# Altium PCB main.PcbDoc
Units mil, origin at the board's own origin, x right, y up, seen from the top; angles counter-clockwise.
Board outline 8820 x 6490 mil, 2 copper layers (Top Layer, Bottom Layer); 83 components, 111 nets, 405 pads, 34 vias.
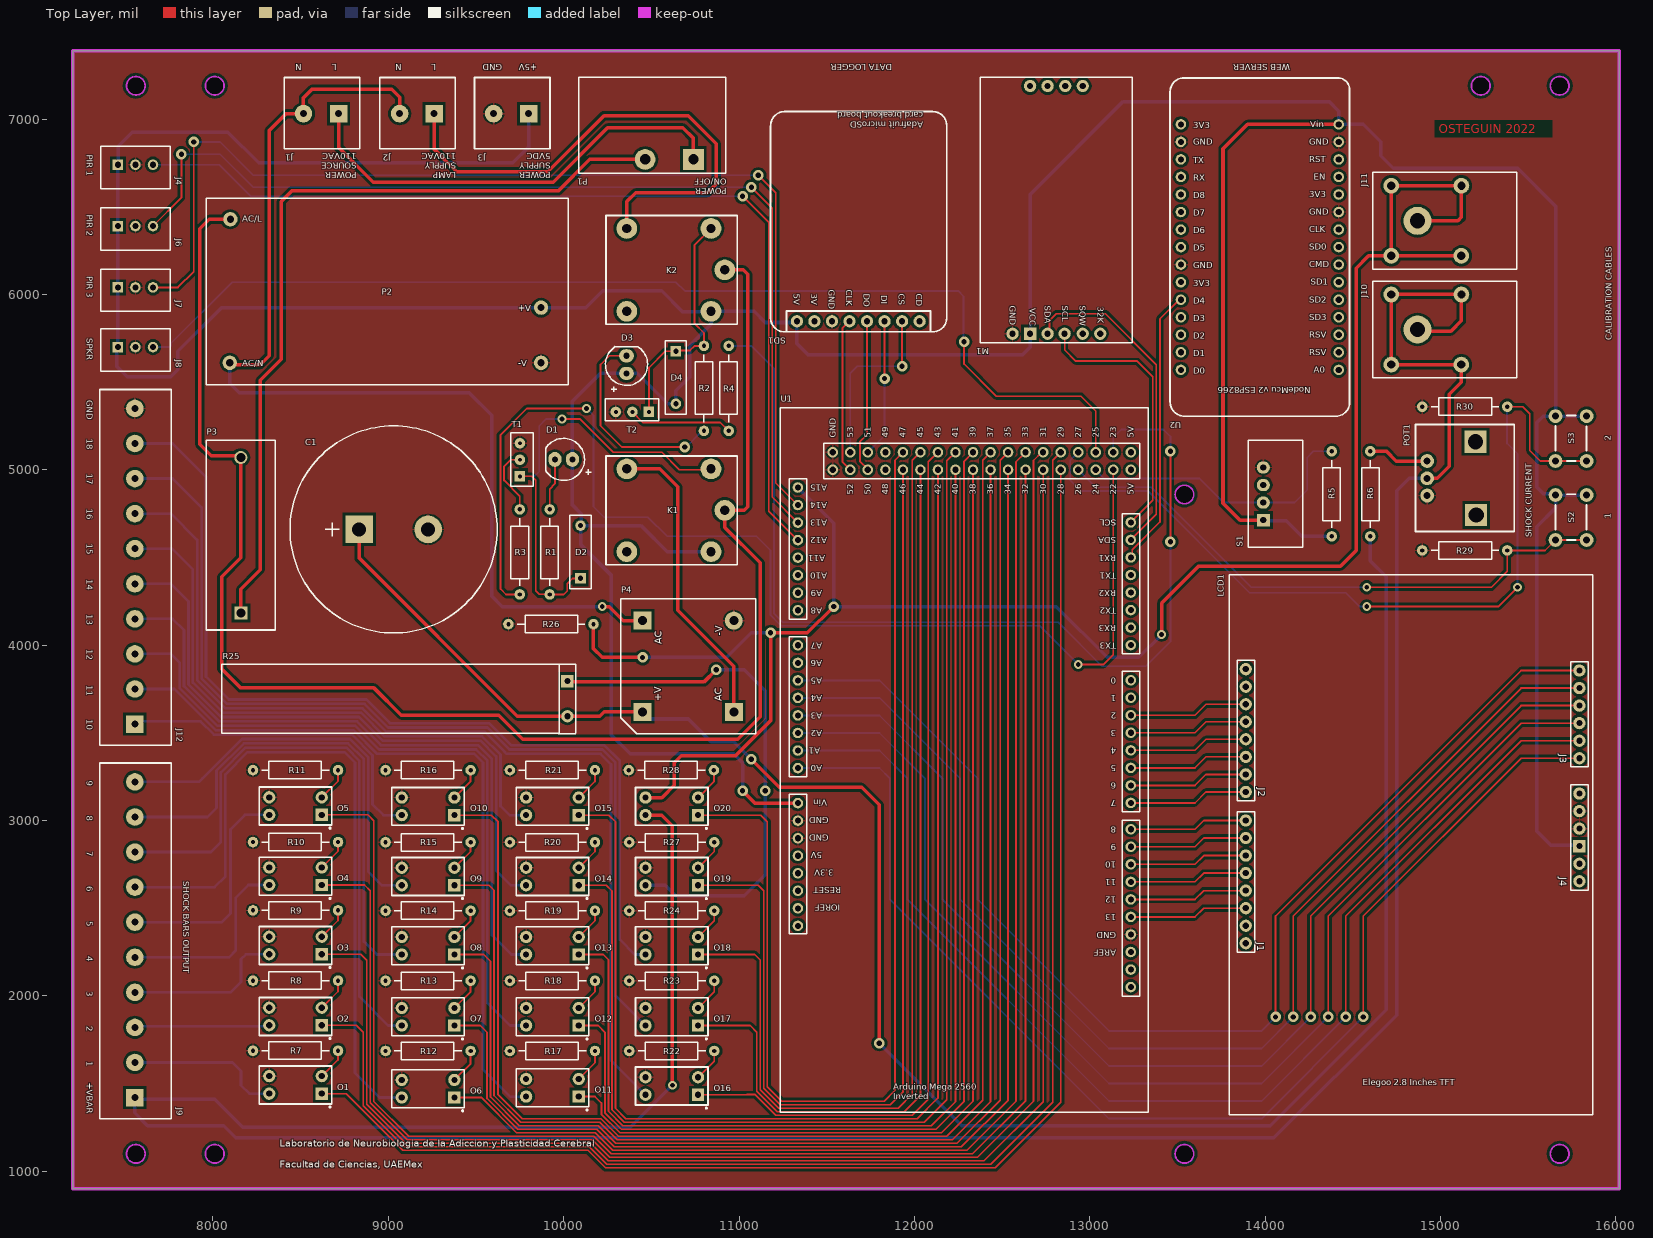
[diagram p0: Top Layer view]
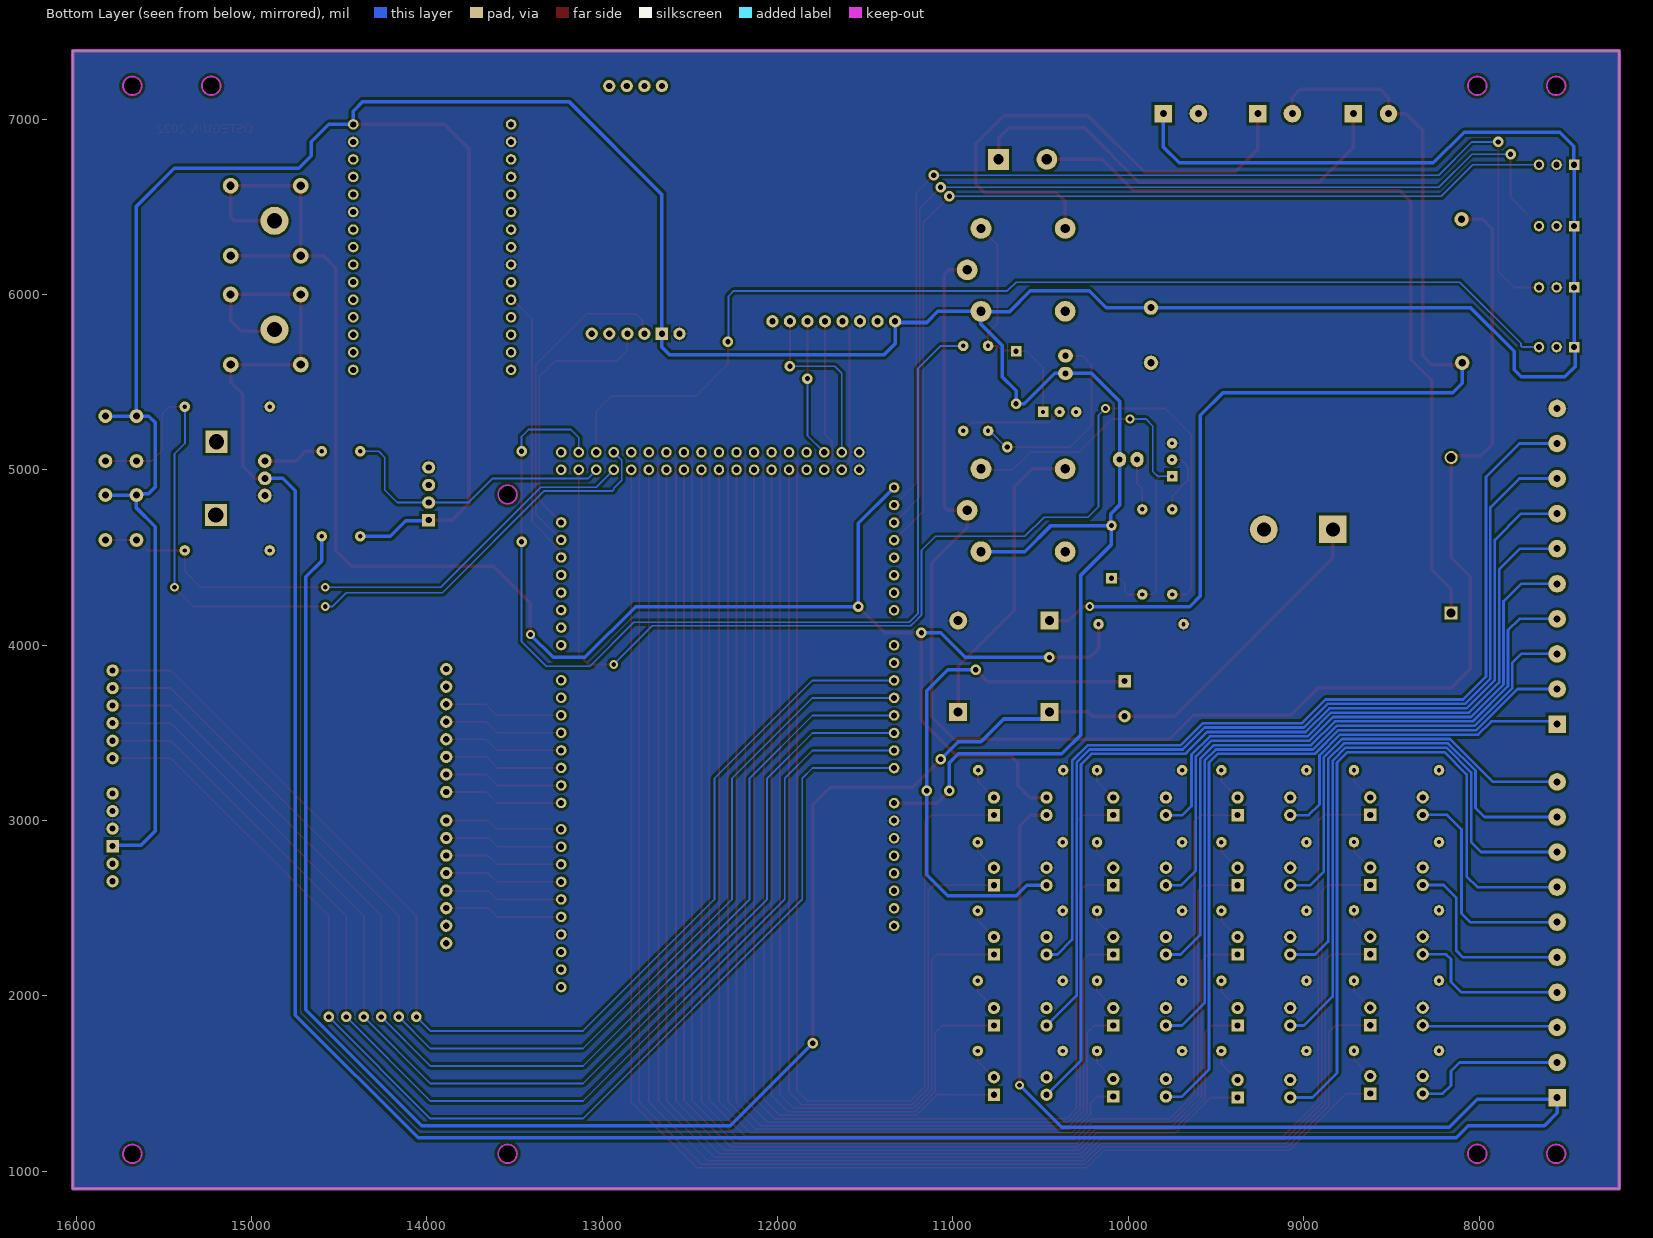
[diagram p1: Bottom Layer view, seen from below]

## Layer stack, top to bottom
Top Solder: solder mask 0.4, Solder Resist, Dk 3.5
Top Layer: signal copper 1.4
Dielectric 1: dielectric 12.6, FR-4, Dk 4.8
Bottom Layer: signal copper 1.4
Bottom Solder: solder mask 0.4, Solder Resist, Dk 3.5

## Board outline
7200,900 16020,900 16020,7390 7200,7390
cut-out: 13593.15,4859.21 cw(c13540,4859.21) 13540,4806.06 cw(c13540,4859.21) 13486.85,4859.21 cw(c13540,4859.21) 13540,4912.36 cw(c13540,4859.21)
cut-out: 15283.15,7190 cw(c15230,7190) 15230,7136.85 cw(c15230,7190) 15176.85,7190 cw(c15230,7190) 15230,7243.15 cw(c15230,7190)
cut-out: 15733.15,7190 cw(c15680,7190) 15680,7136.85 cw(c15680,7190) 15626.85,7190 cw(c15680,7190) 15680,7243.15 cw(c15680,7190)
cut-out: 15733.15,1099.21 cw(c15680,1099.21) 15680,1046.06 cw(c15680,1099.21) 15626.85,1099.21 cw(c15680,1099.21) 15680,1152.36 cw(c15680,1099.21)
cut-out: 13593.15,1099.21 cw(c13540,1099.21) 13540,1046.06 cw(c13540,1099.21) 13486.85,1099.21 cw(c13540,1099.21) 13540,1152.36 cw(c13540,1099.21)
cut-out: 8063.15,1099.21 cw(c8010,1099.21) 8010,1046.06 cw(c8010,1099.21) 7956.85,1099.21 cw(c8010,1099.21) 8010,1152.36 cw(c8010,1099.21)
cut-out: 8063.15,7190 cw(c8010,7190) 8010,7136.85 cw(c8010,7190) 7956.85,7190 cw(c8010,7190) 8010,7243.15 cw(c8010,7190)
cut-out: 7613.15,7190 cw(c7560,7190) 7560,7136.85 cw(c7560,7190) 7506.85,7190 cw(c7560,7190) 7560,7243.15 cw(c7560,7190)
cut-out: 7613.15,1099.21 cw(c7560,1099.21) 7560,1046.06 cw(c7560,1099.21) 7506.85,1099.21 cw(c7560,1099.21) 7560,1152.36 cw(c7560,1099.21)

## Design rules (kind name [scope] priority, off if disabled: settings)
Clearance [All] p1: gap=10 ignorepadtopadclearanceinfootprint=FALSE
Height [All] p1: minheight=0 maxheight=1377.95 prefheight=1377.95
PolygonConnect [All] p1: connectstyle=Relief reliefconductorwidth=10 reliefentries=4 polygonreliefangle="90 Angle" airgapwidth=10
RoutingVias [All] p1: holewidth=28 width=50 viastyle="Through Hole" minholewidth=28 minwidth=50 maxholewidth=28 maxwidth=50
SolderMaskExpansion [All] p1: expansion=4
Width [All] p1: maxlimit=20 minlimit=10 preferedwidth=20
29 further rules are at their usual default settings.

## Classes and differential pairs
component class U_power: C1 D1 D2 D3 D4 J1 J2 J3 K1 K2 P1 P2 P3 P4 POT1 R1 R2 R3 R4 R6 T1 T2
component class U_shock: J9 J10 J11 J12 O1 O2 O3 O4 O5 O6 O7 O8 O9 O10 O11 O12 O13 O14 O15 O16 O17 O18 O19 O20 R7 R8 R9 R10 R11 R12 R13 R14 R15 R16 R17 R18 R19 R20 R21 R22 R23 R24 R25 R26 R27 R28
component class U_micros: H2 J4 J6 J7 J8 LCD1 M1 R5 R29 R30 S1 S2 S3 SD1 U1 U2

## Components (designator, comment, footprint, x,y, rotation, side; value= is the part's Value field where it differs from the comment)
C1 "470uF 350V" ESMQ351VSN471MR35S 9030,4660 r0 top
D1 "LED_OTHER" LED_AXIAL 10050,5059.06 r180 top
D2 "Diode" "Diodo 1N4007 Rectificador" 10095.94,4382.07 r90 top
D3 "LED_OTHER" LED_AXIAL 10358.25,5550 r90 top
D4 "Diode" "Diodo 1N4007 Rectificador" 10640,5676.57 r270 top
J1 "Terminal_Block_2" Terminal_Block_2#1 8713.09,7032.77 r180 top
J2 "Terminal_Block_2" Terminal_Block_2#2 9261.59,7032.77 r180 top
J3 "Terminal_Block_2" Terminal_Block_2#1 9797.59,7032.77 r180 top
J4 "JST_3P" JST_3P_VERT 7657.86,6740 r180 top
J6 "JST_3P" JST_3P_VERT 7657.86,6390 r180 top
J7 "JST_3P" JST_3P_VERT 7657.86,6040 r180 top
J8 "JST_3P" JST_3P_VERT 7657.86,5700 r180 top
J9 "Terminal_Block_10" Terminal_Block_10 7555.36,1421 r90 top
J10 "SLB4-I/90" SLB4-I/90 14869.24,5800 r90 top
J11 "SLB4-I/90" SLB4-I/90 14869.24,6420 r90 top
J12 "Terminal_Block_10" Terminal_Block_10 7555.36,3551 r90 top
K1 "833H-1C-S-5VDC" Relay_833H 10639.39,4769.06 r180 top
K2 "833H-1C-S-5VDC" Relay_833H 10639.39,6140 r180 top
LCD1 "ELEGOO_LCD" Elegoo_LCD 14930.12,2898.31 r270 top value="5V - LCD"
M1 "DS3231" DS3231_HORIZONTAL 13241.89,5724.92 r180 top
O1 "TLP240GA" TLP240GA 8470.59,1492.13 r180 top
O2 "TLP240GA" TLP240GA 8470.59,1882.13 r180 top
O3 "TLP240GA" TLP240GA 8470.59,2287.13 r180 top
O4 "TLP240GA" TLP240GA 8470.59,2682.13 r180 top
O5 "TLP240GA" TLP240GA 8470.59,3082.13 r180 top
O6 "TLP240GA" TLP240GA 9226.54,1470.59 r180 top
O7 "TLP240GA" TLP240GA 9226.54,1880.59 r180 top
O8 "TLP240GA" TLP240GA 9226.54,2285.59 r180 top
O9 "TLP240GA" TLP240GA 9226.54,2680.59 r180 top
O10 "TLP240GA" TLP240GA 9226.54,3080.59 r180 top
O11 "TLP240GA" TLP240GA 9935.96,1475.59 r180 top
O12 "TLP240GA" TLP240GA 9935.96,1880.59 r180 top
O13 "TLP240GA" TLP240GA 9935.96,2285.59 r180 top
O14 "TLP240GA" TLP240GA 9935.96,2680.59 r180 top
O15 "TLP240GA" TLP240GA 9935.96,3080.59 r180 top
O16 "TLP240GA" TLP240GA 10616.57,1485.59 r180 top
O17 "TLP240GA" TLP240GA 10616.57,1880.59 r180 top
O18 "TLP240GA" TLP240GA 10616.57,2285.59 r180 top
O19 "TLP240GA" TLP240GA 10616.57,2680.59 r180 top
O20 "TLP240GA" TLP240GA 10616.57,3080.59 r180 top
P1 "Rocker Switch" "Rocker Switch" 10740,6770 r180 top
P2 "15W AC-DC PCB-Mount" "15W AC-DC PCB-Mount" 8095.85,6430 r0 top
P3 "Fuse" "Fuse Holder" 8158.7,4184.17 r90 top
P4 "Bridge Rectifier" KBPC1010 10970,4139.69 r90 top
POT1 "Rot. Potentiometer" PTV09A-4020F-B504 15200,5160 r270 top
R1 "100" RESISTOR 9920,4529.06 r90 top
R2 "100" RESISTOR 10800,5466.57 r270 top
R3 "1K" RESISTOR 9749.35,4529.06 r90 top
R4 "1K" RESISTOR 10940.85,5466.57 r270 top
R5 "1K" RESISTOR 14380,4860.39 r90 top
R6 "100K" RESISTOR 14600,4860.39 r90 top
R7 "680" RESISTOR 8468.09,1687.13 r0 top
R8 "680" RESISTOR 8468.09,2087.13 r0 top
R9 "680" RESISTOR 8468.09,2487.13 r0 top
R10 "680" RESISTOR 8468.09,2877.13 r0 top
R11 "680" RESISTOR 8468.09,3287.4 r0 top
R12 "680" RESISTOR 9224.04,1685.59 r0 top
R13 "680" RESISTOR 9224.04,2085.59 r0 top
R14 "680" RESISTOR 9224.04,2485.59 r0 top
R15 "680" RESISTOR 9224.04,2875.59 r0 top
R16 "680" RESISTOR 9224.04,3287.4 r0 top
R17 "680" RESISTOR 9933.46,1685.59 r0 top
R18 "680" RESISTOR 9933.46,2085.59 r0 top
R19 "680" RESISTOR 9933.46,2485.59 r0 top
R20 "680" RESISTOR 9933.46,2875.59 r0 top
R21 "680" RESISTOR 9933.46,3287.4 r0 top
R22 "680" RESISTOR 10614.07,1685.59 r0 top
R23 "680" RESISTOR 10614.07,2085.59 r0 top
R24 "680" RESISTOR 10614.07,2485.59 r0 top
R25 "Ceramic Resistor" AXIAL_CERAMIC_RESISTOR 9980,3890 r270 top
R26 "1K" RESISTOR 9930,4120 r180 top
R27 "680" RESISTOR 10614.07,2875.59 r0 top
R28 "680" RESISTOR 10611.57,3287.4 r0 top
R29 "1K" RESISTOR 15141.48,4540 r180 top
R30 "1K" RESISTOR 15141.48,5360 r180 top
S1 "DHT22" DHT22 13990,4862.89 r90 top
S2 "Push_Button_4Pin" PUSH_BUTTON 15833.6,4855.91 r270 top
S3 "Push_Button_4Pin" PUSH_BUTTON 15833.6,5305.91 r270 top
SD1 "MicroSD Module" Micro-SD 11682,5788.09 r270 top
T1 "BC547CBU" BC547CBU 9750.59,4946.85 r90 top
T2 "BC547CBU" BC547CBU 10502.09,5330 r180 top
U1 "MEGA2560" MEGA2560_Inv 12285,3575 r90 top
U2 "ESP8266 NodeMCU" ESP8266_NodeMCU 13970,6270 r0 top

## Footprints (in the part's own frame and the unit in brackets; to place one, negate y for a bottom-side part, rotate by r counter-clockwise, add the part's x,y. Pads: shape width x height; smd on the part's side, far side on the other; paste and mask are expansions set on the pad)
"15W AC-DC PCB-Mount" [mil]
  round 82 hole 41: 1(3.35,-1.1) 2(0,-820) 3(1775,-820) 4(1775,-505.04)
  silkscreen extent -135,-946 1929,120, body extent -134,-946 1929,125, height 945
AXIAL_CERAMIC_RESISTOR [mil] "Axial Ceramic Resistor"
  rect 70x70 hole 35: 1(95.5,40.87)
  round 70 hole 35: 2(295.5,40.87)
  silkscreen extent 0,-1929 394,89, body extent 17,-2028 383,168, height 356
BC547CBU [mil]
  rect 60x60 hole 22.05: 1(15.75,0)
  round 60 hole 22.05: 2(110.24,0) 3(204.72,0)
  silkscreen extent -39,-75 264,51, body extent 1,-78 219,40, height 298
DHT22 [mil] "Sensor humedad y temperatura"
  rect 70x75 hole 35.43: 1(-150,0)
  oval 70x75 hole 35.43: 2(-50,0) 3(50,0) 4(150,0)
  silkscreen extent -305,-226 305,85, body extent -297,-232 297,83, height 988
"Diodo 1N4007 Rectificador" [mil]
  rect 60x60 hole 30: 1(0,0)
  round 60 hole 30: 2(300,0)
  silkscreen extent -60,-60 359,60, body extent -10,-49 310,51, height 100
DS3231_HORIZONTAL [mil]
  round 70 hole 35: 1(681.89,-51.18) 3(481.89,-51.18) 4(385,-51.18) 5(281.89,-51.18) 6(181.89,-51.18) NA(281.89,-1463.86) NA(381.89,-1463.86) NA(481.89,-1463.86) NA(581.89,-1463.86)
  rect 70x70 hole 35: 2(581.89,-51.18)
  silkscreen extent 0,-1514 866,0, body extent -30,-1516 828,5, height 659
Elegoo_LCD [mil]
  round 70 hole 35: 1(598.31,-1040.12) 2(498.31,-1040.12) 3(398.31,-1040.12) 4(298.31,-1040.12) 5(198.31,-1040.12) 6(98.31,-1040.12) 7(-1.69,-1040.12) 8(-101.69,-1040.12) 9(-264.69,-1040.12) 10(-364.69,-1040.12) 11(-464.69,-1040.12) 12(-564.69,-1040.12) 13(-664.69,-1040.12) 14(-764.69,-1040.12) 15(-864.69,-1040.12) 16(-964.69,-1040.12) 17(-956.81,862.24) 18(-856.81,862.24) 19(-756.81,862.24) 20(-656.81,862.24) 21(-556.81,862.24) 22(-456.81,862.24) 23(-255.24,862.24) 24(-155.24,862.24) 25(-55.24,862.24) 27(144.76,862.24) 28(244.76,862.24)
  rect 70x70 hole 35: 26(44.76,862.24)
  silkscreen extent -1503,-1135 1577,940, body extent -1482,-1136 1600,947, height 748
ESMQ351VSN471MR35S [mm] "CAP ALUM 470UF 20% 350V SNAP"
  rect 4x4 hole 2: 1(-5,0)
  round 4 hole 2: 2(5,0)
  silkscreen extent -15,-15 15,15, body extent -21.13,-21.13 21.13,21.13, height 35
ESP8266_NodeMCU [mil]
  round 60 hole 35: 1(-450,700) 2(-450,600) 3(-450,500) 4(-450,400) 5(-450,300) 6(-450,200) 7(-450,100) 8(-450,0) 9(-450,-100) 10(-450,-200) 11(-450,-300) 12(-450,-400) 13(-450,-500) 14(-450,-600) 15(-450,-700) 16(450,-700) 17(450,-600) 18(450,-500) 19(450,-400) 20(450,-300) 21(450,-200) 22(450,-100) 23(450,0) 24(450,100) 25(450,200) 26(450,300) 27(450,400) 28(450,500) 29(450,600) 30(450,700)
  silkscreen extent -512,-965 512,965, body extent -510,-952 499,970, height 506
"Fuse Holder" [mm]
  rect 1.9x1.9 hole 1.3: 1(0,0)
  round 1.9 hole 1.3: 2(22.5,0)
  silkscreen extent -2.5,-5 25,5, body extent -0.55,-4.8 22.55,4.8, height 11.5
JST_3P_VERT [mil] "JST-XH Through Hole Right Angle Connectors"
  rect 60x60 hole 35.43: 1(200,0)
  round 60 hole 35.43: 2(100,0) 3(0,0)
  silkscreen extent -98,-104 298,137, body extent -92,-98 292,132, height 284
KBPC1010 [mm] "Single-Phase Silicon Bridge Rectifier Rectifier"
  rect 2.6x2.6 hole 1.3: 1(-13.2,13.2) 3(-13.2,0) 4(0,13.2)
  round 2.6 hole 1.3: 2(0,0)
  silkscreen extent -16.4,-3.2 3.2,16.4, body extent -16.4,-3.32 3.2,16.28, height 9.5
LED_AXIAL [mil]
  oval 75x85 hole 35: 1(0,0) 2(100,0)
  silkscreen extent -106,-120 153,120, body extent -65,-121 150,111, height 425
MEGA2560_Inv [mil] "Arduino Mega 2560 Inverted"
  round 60 hole 35: 0(225,-949.39) 1(125,-949.39) 2(25,-949.39) 3(-75,-949.39) 3.3V(-875.94,949.39) 4(-175,-949.39) 5(-275,-949.39) 5V(-775.94,949.39) 5V_1(1425,-949.39) 5V_2(1525,-949.39) 6(-375,-949.39) 7(-475,-949.39) 8(-625,-949.39) 9(-725,-949.39) 10(-825,-949.39) 11(-925,-949.39) 12(-1025,-949.39) 13(-1125,-949.39) 22(1425,-849.39) 23(1525,-849.39) 24(1425,-749.39) 25(1525,-749.39) 26(1425,-649.39) 27(1525,-649.39) 28(1425,-549.39) 29(1525,-549.39) 30(1425,-449.39) 31(1525,-449.39) 32(1425,-349.39) 33(1525,-349.39) 34(1425,-249.39) 35(1525,-249.39) 36(1425,-149.39) 37(1525,-149.39) 38(1425,-49.39) 39(1525,-49.39) 40(1425,50.61) 41(1525,50.61) 42(1425,150.61) 43(1525,150.61) 44(1425,250.61) 45(1525,250.61) 46(1425,350.61) 47(1525,350.61) 48(1425,450.61) 49(1525,450.61) 50(1425,550.61) 51(1525,550.61) 52(1425,650.61) 53(1525,650.61) A0(-275.94,949.39) A1(-175.94,949.39) A2(-75.94,949.39) A3(24.06,949.39) A4(124.06,949.39) A5(224.06,949.39) A6(324.06,949.39) A7(424.06,949.39) A8(624.06,949.39) A9(724.06,949.39) A10(824.06,949.39) A11(924.06,949.39) A12(1024.06,949.39) A13(1124.06,949.39) A14(1224.06,949.39) A15(1324.06,949.39) AREF(-1325,-949.39) GND(-575.94,949.39) GND_1(-675.94,949.39) GND_2(-1225,-949.39) GND_3(1425,750.61) GND_4(1525,750.61) IOREF(-1075.94,949.39) LCD(-1425,-949.39) LCD_1(-1525,-949.39) NA(-1175.94,949.39) RESET(-975.94,949.39) RX1(925,-949.39) RX2(725,-949.39) RX3(525,-949.39) SCL(1125,-949.39) SDA(1025,-949.39) TX1(825,-949.39) TX2(625,-949.39) TX3(425,-949.39) Vin(-475.94,949.39)
  silkscreen extent -2240,-1049 1780,1051, body extent -2560,-1054 1705,1048, height 559
Micro-SD [mil] "Adafruit Micro SD Card Breakout Board"
  round 70 hole 35: 1(-59,348) 2(-59,248) 3(-59,148) 4(-59,48) 5(-59,-52) 6(-59,-152) 7(-59,-252) 8(-59,-352)
  silkscreen extent -1255,-502 1,502, body extent -1455,-498 -6,502, height 420
PTV09A-4020F-B504 [mm] "Potenciómetros PANEL CONTROL - 9MM-ST-CARBON"
  round 2 hole 1: 1(2.8,-7) 2(5.3,-7) 3(7.8,-7)
  rect 3.2x3.2 hole 2.2: NA(0,0) NA(10.6,0.1)
  silkscreen extent -2.5,-8.7 13,5.6, body extent -0.36,-7.1 10.96,5.5, height 26
PUSH_BUTTON [mm]
  round 2 hole 1: 1(0,0) 2(0,-4.5) 3(6.5,0) 4(6.5,-4.5)
  body extent -0.54,-5.29 7.15,0.72, height 4.95
Relay_833H [mm] "Rele_833H"
  round 3 hole 1.35: 1(-5.1,6) 2(7.1,6) 3(7.1,-6) 4(-5.1,-6) 5(-7.1,0)
  silkscreen extent -8.9,-7.87 10.1,7.87, body extent -8.91,-7.8 10.29,7.8, height 15.8
RESISTOR [mil] "Axial Device, Thru-Hole; 2 Leads; 0.5 in Pin Spacing"
  round 60 hole 25: 1(-240,0) 2(245,0)
  silkscreen extent -190,-50 195,50, body extent -258,-48 258,50, height 109
"Rocker Switch" [mm] "SPST (right-angle)"
  rect 3x3 hole 1.5: 1(0,0)
  round 3 hole 1.5: 2(7,0)
  silkscreen extent -4.65,-11.94 16.65,2, body extent -4.6,-21.5 16.7,0.62, height 14.4
SLB4-I/90 [mil]
  round 90 hole 47.24: 1(-200,150) 2(-200,-250) 3(200,-250.39) 4(200,149.61)
  round 160 hole 86.61: 5(0,0)
  silkscreen extent -276,-565 276,255, body extent -232,-1081 240,218, height 483
Terminal_Block_2#1 [mil]
  rect 100x100 hole 40: 1(-3,2)
  round 100 hole 40: 2(197,2)
  silkscreen extent -124,-205 306,202, body extent -118,-203 298,191, height 551
Terminal_Block_2#2 [mil]
  rect 100x100 hole 40: 1(1,2)
  round 100 hole 40: 2(197,2)
  silkscreen extent -120,-205 310,202, body extent -114,-203 302,191, height 551
Terminal_Block_10 [mil]
  rect 100x100 hole 40: 1(-1,1)
  round 100 hole 40: 2(199,1) 3(399,1) 4(599,1) 5(799,1) 6(999,1) 7(1199,1) 8(1399,1) 9(1599,1) 10(1799,1)
  silkscreen extent -122,-206 1907,201, body extent -117,-195 1899,199, height 551
TLP240GA [mil]
  rect 70x70 hole 35: 1(-150,50)
  round 70 hole 35: 2(-150,-50) 3(150,-50) 4(150,50)
  silkscreen extent -207,-108 207,130, body extent -155,-85 145,92, height 157

## Part data
C1: library part Capacitor_AXIAL_Pol, "Capacitor_AXIAL_Pol"
D1 D3: "Typical RED GaAs LED", LatestRevisionDate=08-Jul-2005, LatestRevisionNote="Mech Layer 1 removed.", PackageDescription="LED; 2 Leads", PackageReference=LED-1, Published=8-Jun-2000, Publisher="Altium Limited"
D2 D4: "Default Diode", Code_JEDEC=DO-214-AB, LatestRevisionDate=17-Jul-2002, LatestRevisionNote="Re-released for DXP Platform.", PackageDescription="DO-214-AB/SMC; 2 C-Bend Leads; Body 7.9 x 5.9 mm, inc. leads (LxW)", PackageReference=SMC, PackageVersion=Sep-1996, Published=8-Jun-2000, Publisher="Altium Limited"
K1 K2: library part "Relay_Song 5V", "Relay Song Chuan 5V", Manufacturer="Song Chuan", HelpURL=C:\Varios\PERCRO_DATASHEET\Relay_833H.pdf, Manufacturer Code=833H-1C-S-5VDC
LCD1: library part ELEGOO_LCD_2.8, "LCD 2.8 in - 5 V", Manufacturer=ELEGOO, Manufacturer Code=Elego_LCD_2.8in, HelpURL="C:\Varios\PERCRO_DATASHEET\Elegoo 2.8 inch.pdf"
M1: "RTC MODULE"
O1 O2 O3 O4 O5 O6 O7 O8 O9 O10 O11 O12 O13 O14 O15 O16 O17 O18 O19 O20: "Photorelay"
P4: library part KBPC1010, "Single-Phase Silicon Bridge Rectifier Rectifier"
POT1: library part ROT_POT, "Rotatory Potentiometer"
R1 R2 R3 R4 R5 R6 R7 R8 R9 R10 R11 R12 R13 R14 R15 R16 R17 R18 R19 R20 R21 R22 R23 R24 R26 R27 R28 R29 R30: library part Resistor_Axial, "Resistor_Axial", LatestRevisionDate=17-Jul-2002, LatestRevisionNote="Re-released for DXP Platform.", PackageDescription="Axial Device, Thru-Hole; 2 Leads; 0.3 in Pin Spacing", PackageReference=AXIAL-0.3, Published=8-Jun-2000, Publisher="Altium Limited"
R25: library part AXIAL_CERAMIC_RESISTOR
S1: "Sensor de humedad y temperatura", Manufacturer="Aosong Electronics", Height="25.3 mm", HelpURL=C:\Varios\PERCRO_DATASHEET\DHT22.pdf, Manufacturer Code=DHT22
SD1: library part Micro-SD, "Adafruit Micro SD Card Breakout Board"
U1: "Arduino Mega2560"
U2: library part ESP8266, "NODEMCU V2 ESP8266"

## Via types
v1: diameter 60, hole 30, Top Layer to Bottom Layer, 25 vias
v2: diameter 50, hole 28, Top Layer to Bottom Layer, 9 vias

## Nets (pads, with @x,y where several pads share a name; then routed paths per layer and width w, separated by ;. In a path a pad name is that pad's centre, name@x,y a point inside that pad or via, vN(x,y) a via of type N, cw(c..) or ccw(c..) an arc to the next point about the centre after c; other vN are vias at no path point)
+5VDC: D1.1 D2.2 D3.1 D4.2 J3.1 J4.1 J6.1 J7.1 J8.1 K1.1 K2.1 LCD1.26 M1.2 P2.4 R5.1 S1.1 S2.1 S2.2 S3.1 S3.2 SD1.8 U1.Vin U2.30 | length 27413.3
  Top Layer w20: v1(11020,3170) 11090.94,3099.06 U1.Vin ; S1.1 13857.11,4712.89 13760,4810 13760,6830 13900,6970 U2.30
  Bottom Layer w20: J3.1 9800.59,6840.59 9710,6750 8260,6750 8085,6925 7539.14,6925 7460,6845.86 7460,6742.14 J4.1 J6.1 J7.1 J8.1 7450,5692.14 7450,5590 7510,5530 7760,5530 7800,5570 7800,5676.57 8048.39,5924.96 P2.4 10126.68,5924.96 10221.72,6020 10560,6020 10680,5900 10836.4,5900 K2.1 ; K1.1 10590,4532.83 10440.76,4682.07 D2.2 ; v1(11020,3170) 11020,3329.29 10969.29,3380 10380,3380 10270,3490 10270,4400 10095.94,4574.06 D2.2 ; U1.Vin@11334.67,3100 U1.Vin ; S1.1 13992.89,4710 14120,4710 14210,4620 14379.61,4620 R5.1 ; LCD1.26 15785.91,2860 15630,2860 15550,2940 15550,4675.82 15656.44,4782.26 S2.2 ; S2.1 S2.2 ; S3.1 S3.2 ; D2.2 10099.06,4685.19 10099.06,4750 10050,4799.06 D1.1 10050,5390 10210,5550 D3.1 10420,5550 10593.43,5376.57 D4.2 10640,5450 10720,5530 10720,5710 10840.18,5830.18 K2.1 ; K2.1 11086.22,5903.78 11150,5840 11322.91,5840 SD1.8 11330,5840 11330,5720 11395,5655 12615,5655 12660,5700 M1.2 12660,6570 13190,7100 14365.23,7100 14420,7045.23 U2.30 14560,6970 14660,6870 14660,6790 14730,6720 15440,6720 15656.44,6503.56 S3.2 ; S2.2 15647.7,4864.65 15587.07,4864.65 15550,4901.72 15550,5270 15585.91,5305.91 S3.2
+170VDC: C1.1 P4.1 R6.1 R25.2 | length 11189.6
  Top Layer w20: C1.1 8833.15,4496.85 9735.5,3594.5 R25.2 10204.79,3594.5 10230.29,3620 P4.1 ; v1(11070,3350) 11230,3190 11700,3190 11800,3090 v1(11800,1730)
  Bottom Layer w20: P4.1 10491.5,3578.82 10711.34,3578.82 10840.16,3450 10970,3450 v1(11070,3350) ; v1(11800,1730) 12270,1260 14030,1260 14690,1920 14690,4390 14600,4480 R6.1
+VREG: J9.1 J10.1 J10.2 J10.3 J10.4 J10.5 O20.4 POT1.2 | length 18112.6
  Top Layer w20: O20.4 10559.41,3030.59 10620,2970 v2(10620,1490) ; J10.5 14879.24,5790 15060,5790 15119.63,5849.63 J10.3 J10.4 14719.43,5999.8 14719.43,5600.2 J10.1 J10.2 15119.24,5499.24 15050,5430 15050,5020 15018.7,4988.7 14981.34,4951.34 POT1.2
  Bottom Layer w20: v2(10620,1490) 10380,1250 8170,1250 8010,1410 7564.36,1410 J9.1 7554.36,1332.47 7626.83,1260 8060.47,1260 8130.47,1190 14050,1190 14750,1890 14750,4880 14821.34,4951.34 POT1.2
A0: LCD1.22 U1.A0 | length 6877.1
  Top Layer w10: v1(14560,1880) 14560,2455.12 15460,3355.12 LCD1.22
  Bottom Layer w10: U1.A0 11800.94,3299.06 11860,3240 11860,2550 13110,1300 13980,1300 v1(14560,1880)
A1: LCD1.21 U1.A1 | length 6877.1
  Top Layer w10: v1(14460,1880) 14460,2455.12 15460,3455.12 LCD1.21
  Bottom Layer w10: U1.A1 11800.94,3399.06 11960,3240 11960,2550 13110,1400 13980,1400 v1(14460,1880)
A2: LCD1.20 U1.A2 | length 6877.1
  Top Layer w10: v1(14360,1880) 14360,2455.12 15460,3555.12 LCD1.20
  Bottom Layer w10: U1.A2 11800.94,3499.06 12060,3240 12060,2550 13110,1500 13980,1500 v1(14360,1880)
A3: LCD1.19 U1.A3 | length 6877.1
  Top Layer w10: v1(14260,1880) 14260,2455.12 15460,3655.12 LCD1.19
  Bottom Layer w10: U1.A3 11800.94,3599.06 12160,3240 12160,2550 13110,1600 13980,1600 v1(14260,1880)
A4: LCD1.18 U1.A4 | length 6877.1
  Top Layer w10: v1(14160,1880) 14160,2455.12 15460,3755.12 LCD1.18
  Bottom Layer w10: U1.A4 11800.94,3699.06 12260,3240 12260,2550 13110,1700 13980,1700 v1(14160,1880)
A5: LCD1.17 U1.A5 | length 6877.1
  Top Layer w10: v1(14060,1880) 14060,2455.12 15460,3855.12 LCD1.17
  Bottom Layer w10: U1.A5 11800.94,3799.06 12360,3240 12360,2550 13110,1800 13980,1800 v1(14060,1880)
A12: J4.3 U1.A12 | length 5528.8
  Top Layer w10: v1@11020.71,6560.71 11170,6411.42 11170,4764.67 U1.A12
  Bottom Layer w10: J4.3 8035.18,6740 8215.18,6560 v1(11020,6560)
A13: J6.3 U1.A13 | length 5827.7
  Top Layer w10: J6.3 7820,6552.14 v1(7820,6800) ; v1(11070.71,6610.71) 11190,6491.42 11190,4844.67 U1.A13
  Bottom Layer w10: v1(7820,6800) 8040,6800 8229.29,6610.71 v1(11070.71,6610.71)
A14: J7.3 U1.A14 | length 6282.5
  Top Layer w10: J7.3 7800,6040 7890,6130 v1(7890,6870) ; v1(11110,6680) 11210,6580 11210,4924.67 U1.A14
  Bottom Layer w10: v1(7890,6870) 8040,6870 8230,6680 v1(11110,6680)
AC/L: K1.5 K2.5 P2.1 P3.2 | length 9098.3
  Top Layer w20: P2.1 7978.9,6428.9 7925,6375 7925,5145 7990,5080 8148.7,5080 P3.2 8158.7,4498.7 8050,4390 8050,3863.74 8157.87,3755.87 8918.17,3755.87 9074.04,3600 9630,3600 9766.26,3463.74 10992.32,3463.74 11120,3591.42 11120,4470 10918.92,4671.08 K1.5 11029.06,4769.06 11050,4790 11050,6115 11025,6140 K2.5
AC/N: J1.2 J2.2 P2.2 P4.4 | length 6175.8
  Top Layer w20: P2.2 8105.85,5600 8270,5600 8320.59,5650.59 8320.59,6935 8416.36,7030.77 J1.2 8516.09,7121.09 8564.66,7169.66 9020,7169.66 9064.59,7125.07 J2.2 ; v2(10220,4220) 10260,4220 10340.32,4139.69 P4.4
  Bottom Layer w20: P2.2 8095.85,5494.15 8150,5440 9460,5440 9590,5310 9590,4280 9650,4220 v2(10220,4220)
Bar_1: J9.2 O1.4 | length 889.6
  Bottom Layer w10: O1.4@8318.62,1444.09 O1.4
  Bottom Layer w15: J9.2 8110,1620 8160,1570 8160,1490 8207.87,1442.13 O1.4
Bar_2: J9.3 O2.4 | length 771.3
  Bottom Layer w15: J9.3 7560.42,1826.06 8314.53,1826.06 O2.4
Bar_3: J9.4 O3.4 | length 932.3
  Bottom Layer w15: J9.4 8100,2020 8160,2080 8160,2210 8187.13,2237.13 O3.4
Bar_4: J9.5 O4.4 | length 1112.7
  Bottom Layer w15: J9.5 8090,2220 8130,2260 8130,2560 8202.13,2632.13 O4.4
Bar_5: J9.6 O5.4 | length 1301
  Bottom Layer w15: J9.6 8050,2420 8100,2470 8100,2950 8182.13,3032.13 O5.4
Bar_6: J9.7 O6.4 | length 4035.2
  Bottom Layer w15: J9.7 8010,2620 8070,2680 8070,3263.54 8196.46,3390 8750,3390 8810,3330 8810,1560.59 8950,1420.59 O6.4
Bar_7: J9.8 O7.4 | length 3445.4
  Bottom Layer w15: J9.8 7987.87,2820 8045,2877.13 8045,3273.9 8186.1,3415 8760.36,3415 8835,3340.36 8835,1995 8999.41,1830.59 O7.4
Bar_8: J9.9 O8.4 | length 2928.9
  Bottom Layer w15: J9.9 7967.87,3020 8020,3072.13 8020,3284.25 8175.75,3440 8770.71,3440 8860,3350.71 8860,2310 8934.41,2235.59 O8.4
Bar_9: J9.10 O9.4 | length 2351.2
  Bottom Layer w15: J9.10 7920,3220 7940,3240 7940.39,3240 8165.39,3465 8781.07,3465 8885,3361.07 8885,2709.04 8963.44,2630.59 O9.4
Bar_10: J12.1 O10.4 | length 1913.4
  Bottom Layer w15: J12.1 7569.36,3565 7929.64,3565 8004.64,3490 8791.42,3490 8910,3371.42 8910,3092.13 8971.54,3030.59 O10.4
Bar_11: J12.2 O11.4 | length 4219.6
  Bottom Layer w15: J12.2 7780,3750 8015,3515 8801.78,3515 8936.78,3380 9490.71,3380 9540,3330.71 9540,1580.59 9695,1425.59 O11.4
Bar_12: J12.3 O12.4 | length 4002.9
  Bottom Layer w15: J12.3 7760,3950 7810,3900 7810,3755.36 8025.36,3540 8812.13,3540 8947.13,3405 9501.07,3405 9565,3341.07 9565,1960.59 9695,1830.59 O12.4
Bar_13: J12.4 O13.4 | length 3799.9
  Bottom Layer w15: J12.4 7770,4150 7835,4085 7835,3765.71 8035.71,3565 8822.49,3565 8957.49,3430 9511.42,3430 9590,3351.42 9590,2347.13 9701.54,2235.59 O13.4
Bar_14: J12.5 O14.4 | length 3601.9
  Bottom Layer w15: J12.5 7760,4350 7860,4250 7860,3776.07 8046.07,3590 8832.84,3590 8967.84,3455 9525,3455 9615,3365 9615,2715.59 9700,2630.59 O14.4
Bar_15: J12.6 O15.4 | length 3409.7
  Bottom Layer w15: J12.6 7765,4550 7885,4430 7885,3786.42 8056.42,3615 8843.2,3615 8978.2,3480 9535.36,3480 9640,3375.36 9640,3082.13 9691.54,3030.59 O15.4
Bar_16: J12.7 O16.4 | length 5743.1
  Bottom Layer w15: J12.7 7760,4750 7910,4600 7910,3800 8070,3640 8854.04,3640 8989.04,3505 9550,3505 9665,3390 9665,3388.79 9673.79,3380 10210,3380 10270,3320 10270,1632.17 O16.4
Bar_17: J12.8 O17.4 | length 5553.3
  Bottom Layer w15: J12.8 7770,4950 7935,4785 7935,3810.36 8080.36,3665 8864.39,3665 8999.39,3530 9565,3530 9690,3405 10220.36,3405 10295,3330.36 10295,2002.17 O17.4
Bar_18: J12.9 O18.4 | length 5384.7
  Bottom Layer w15: J12.9 7770,5150 7960,4960 7960,3820.71 8090.71,3690 8874.75,3690 9009.75,3555 9575.36,3555 9700.36,3430 10230.71,3430 10320,3340.71 10320,2320 10404.41,2235.59 O18.4
D2: LCD1.14 U1.2 | length 681.7
  Top Layer w10: U1.2 13600,3600 13662.99,3662.99 13760,3662.99 LCD1.14
D3: LCD1.13 U1.3 | length 681.7
  Top Layer w10: U1.3 13600,3500 13662.99,3562.99 13760,3562.99 LCD1.13
D4: LCD1.12 U1.4 | length 681.7
  Top Layer w10: U1.4 13600,3400 13662.99,3462.99 13760,3462.99 LCD1.12
D5: LCD1.11 U1.5 | length 681.7
  Top Layer w10: U1.5 13600,3300 13662.99,3362.99 LCD1.11
D6: LCD1.10 U1.6 | length 681.7
  Top Layer w10: U1.6 13600,3200 13662.99,3262.99 LCD1.10
D7: LCD1.9 U1.7 | length 681.7
  Top Layer w10: U1.7 13600,3100 13662.99,3162.99 LCD1.9
D8: LCD1.8 U1.8 | length 676.3
  Top Layer w10: U1.8 13600,2950 13650,3000 LCD1.8
D9: LCD1.7 U1.9 | length 676.3
  Top Layer w10: U1.9 13600,2850 13650,2900 LCD1.7
D10: LCD1.6 U1.10 | length 676.3
  Top Layer w10: U1.10 13600,2750 13650,2800 LCD1.6
D11: LCD1.5 U1.11 | length 676.3
  Top Layer w10: U1.11 13600,2650 13650,2700 LCD1.5
D12: LCD1.4 U1.12 | length 676.3
  Top Layer w10: U1.12 13600,2550 13650,2600 LCD1.4
D13: LCD1.3 U1.13 | length 676.3
  Top Layer w10: U1.13 13600,2450 13650,2500 LCD1.3
D24: R5.2 S1.2 U1.24 | length 1653.4
  Bottom Layer w10: U1.24 13034.39,4998.6 13082.99,4950 13626.72,4950 13763.83,4812.89 S1.2 14167.82,4812.89 14240,4885.07 14240,5070 14275.39,5105.39 R5.2
D25: J8.3 U1.25 | length 6302.3
  Top Layer w10: v1(12283.46,5730) 12283.46,5603.46 12466.93,5420 12950,5420 13034.39,5335.61 U1.25
  Bottom Layer w10: J8.3 7754.14,5700 7760,5705.86 7760,5720 8110,6070 10640,6070 10690,6020 12250,6020 12280,5990 12280,5733.46 v1(12283.46,5730)
D26: R29.1 S2.3 S2.4 U1.26 | length 3358.6
  Top Layer w10: v2(14580,4330) 15290.94,4330 15381.48,4420.53 R29.1 15596.44,4540 S2.4 S2.3
  Bottom Layer w10: U1.26 13034.39,4900 13350,4900 13920,4330 v2(14580,4330)
D27: R30.1 S3.3 S3.4 U1.27 | length 4837.7
  Top Layer w10: v2(14580,4220) 15330,4220 v2(15440,4330) ; R30.1 15470,5360 15510,5320 15510,5110 15570,5050 S3.4 S3.3
  Bottom Layer w10: U1.27 12889.39,5055 12889.39,4940.61 12934.39,4895.61 12934.39,4885.41 12940.25,4879.55 13330.45,4879.55 13910.94,4299.06 14460.94,4299.06 14540,4220 v2(14580,4220) ; R30.1 15380,5358.52 15380,5150 15440,5090 v2(15440,4330)
D50: SD1.4 U1.50 | length 882.5
  Top Layer w10: SD1.4 11730,5200 11689.39,5159.39 11689.39,5049.69 11734.39,5004.69 U1.50
D51: SD1.3 U1.51 | length 786.7
  Top Layer w10: v1(11830,5520) SD1.3
  Bottom Layer w10: U1.51 11830,5195.61 v1(11830,5520)
D52: SD1.5 U1.52 | length 882.5
  Top Layer w10: SD1.5 11589.39,5806.48 11589.39,5045.61 11634.39,5000.61 U1.52
D53: SD1.2 U1.53 | length 1022.9
  Top Layer w10: v1(11930,5590) 11930,5838.31 11934.39,5842.7 SD1.2
  Bottom Layer w10: U1.53 11634.39,5550 11674.39,5590 v1(11930,5590)
GND: C1.2 J3.2 J4.2 J6.2 J7.2 J8.2 J12.10 LCD1.24 LCD1.25 M1.1 O1.3 O2.3 O3.3 O4.3 O5.3 O6.3 O7.3 O8.3 O9.3 O10.3 O11.3 O12.3 O13.3 O14.3 O15.3 O16.3 O17.3 O18.3 O19.3 P2.3 P4.2 POT1.3 R7.1 R8.1 R9.1 R10.1 R11.1 R12.1 R13.1 R14.1 R15.1 R16.1 R17.1 R18.1 R19.1 R20.1 R21.1 R22.1 R23.1 R24.1 R26.2 R27.1 R28.1 R29.2 R30.2 S1.4 SD1.6 T1.3 T2.3 U1.GND U1.GND_1 U1.GND_2 U1.GND_3 U1.GND_4 U2.2 U2.9 U2.25 U2.29
NetD1_2: D1.2 R1.2 | length 297.4
  Top Layer w10: R1.2 9920,4890 9950,4920 D1.2
NetD2_1: D2.1 K1.4 R1.1 T1.1 | length 2555.2
  Top Layer w10: T1.1 9817.4,4962.6 9840,4940 9840,4310 9860,4290 9919.06,4290 R1.1 10000,4289.06 10020,4309.06 10020,4350 10050,4380 10093.86,4380 D2.1 ; v2(9990,5290) 10091.57,5290 10281.57,5100 10560.61,5100 10660,5000.61 10835.51,5000.61 K1.4
  Bottom Layer w10: T1.1 9832.6,4962.6 9860,4990 9860,5250 9900,5290 v2(9990,5290)
NetD3_2: D3.2 R2.2 | length 1195.7
  Top Layer w10: D3.2 10260,5650 10210,5600 10210,5251.57 10331.57,5130 v1(10690,5130)
  Bottom Layer w10: v1(10690,5130) 10699.21,5130 10790.79,5221.57 R2.2
NetD4_1: D4.1 K2.4 R2.1 T2.1 | length 1350.3
  Top Layer w10: T2.1 10486.34,5582.92 10580,5676.57 D4.1 10640,5680 10720,5680 10746.57,5706.57 R2.1 10800,5780 10746.57,5833.43 10746.57,6282.62 K2.4
NetJ1_1: J1.1 P1.1 | length 2571.4
  Top Layer w20: J1.1 8716.09,6838.91 8915,6640 9940,6640 10250,6950 10680,6950 10740,6890 P1.1
NetJ11_1: J11.1 J11.2 J11.3 J11.4 J11.5 O20.3 R26.1 U1.A15 | length 10821.7
  Top Layer w20: R26.1 10170,3980 10220,3930 v1(10450,3930) ; O20.3 10560.59,3130.59 10630,3200 10630,3330 10670,3370 10980,3370 11180,3570 v1(11180,4070) 11390,4070 v1(11540,4220) ; v2(13410,4060) 13410,4240 13620,4450 14430,4450 14520,4540 14520,6150 14590,6220 J11.1 ; J11.5 15100,6420 15119.63,6439.63 J11.3 J11.4 14719.63,6220.39 J11.1 ; J11.2 J11.1
  Bottom Layer w20: v1(10450,3930) 10930,3930 11070,4070 v1(11180,4070) ; U1.A15 11540,4694.67 v1(11540,4220) 12810,4220 13100,3930 13280,3930 v2(13410,4060)
NetO1_1: O1.1 U1.28 | length 8151.2
  Top Layer w10: O1.1 8759.7,1442.13 9082.61,1119.21 10138.35,1119.21 10238.35,1019.21 12460.85,1019.21 12834.65,1393.01 12834.65,4999.74 U1.28
NetO1_2: O1.2 R7.2 | length 183.3
  Top Layer w10: O1.2 8713.09,1634.63 R7.2
NetO2_1: O2.1 U1.29 | length 8615.1
  Top Layer w10: O2.1 8817.36,1832.13 8857.32,1792.17 8857.32,1372.79 9090.9,1139.21 10146.64,1139.21 10246.64,1039.21 12435.59,1039.21 12789.39,1393.01 12789.39,5055 U1.29
NetO2_2: O2.2 R8.2 | length 193.3
  Top Layer w10: O2.2 8713.09,2024.63 R8.2
NetO3_1: O3.1 U1.30 | length 8826.8
  Top Layer w10: O3.1 8843.73,2237.13 8877.32,2203.53 8877.32,1381.07 9099.18,1159.21 10154.92,1159.21 10254.92,1059.21 12397.26,1059.21 12734.39,1396.34 U1.30
NetO3_2: O3.2 R9.2 | length 188.3
  Top Layer w10: O3.2 8713.09,2429.63 R9.2
NetO4_1: O4.1 U1.31 | length 9271.5
  Top Layer w10: O4.1 8863.94,2632.13 8897.32,2598.74 8897.32,1389.35 9107.46,1179.21 10163.2,1179.21 10263.2,1079.21 12360.04,1079.21 12679.39,1398.56 12679.39,5052.78 12726.61,5100 U1.31
NetO4_2: O4.2 R10.2 | length 183.3
  Top Layer w10: O4.2 8713.09,2824.63 R10.2
NetO5_1: O5.1 U1.32 | length 9475.9
  Top Layer w10: O5.1 8884.25,3032.13 8917.32,2999.06 8917.32,1397.64 9115.75,1199.21 10171.49,1199.21 10271.49,1099.21 12331.59,1099.21 12634.39,1402.01 U1.32
NetO5_2: O5.2 R11.2 | length 193.6
  Top Layer w10: O5.2 8713.09,3224.63 R11.2
NetO6_1: O6.1 U1.33 | length 7175.3
  Top Layer w10: O6.1@9381.87,1415.25 O6.1 9529.26,1420.59 9730.64,1219.21 10179.77,1219.21 10279.77,1119.21 12300.32,1119.21 12579.39,1398.29 12579.39,5045 U1.33
NetO6_2: O6.2 R12.2 | length 203.3
  Top Layer w10: O6.2 9469.04,1613.09 R12.2
NetO7_1: O7.1 U1.34 | length 7369.8
  Top Layer w10: O7.1 9524.33,1830.59 9562.89,1792.03 9562.89,1415.25 9738.93,1239.21 10188.06,1239.21 10288.06,1139.21 12268.19,1139.21 12534.39,1405.41 U1.34
NetO7_2: O7.2 R13.2 | length 193.3
  Top Layer w10: O7.2 9469.04,2023.09 R13.2
NetO8_1: O8.1 U1.35 | length 7826.8
  Top Layer w10: O8.1 9543.9,2235.59 9582.89,2196.6 9582.89,1423.54 9747.21,1259.21 10196.34,1259.21 10296.34,1159.21 12243.19,1159.21 12489.39,1405.41 12489.39,3224.86 12489.39,5055 U1.35
NetO8_2: O8.2 R14.2 | length 188.3
  Top Layer w10: O8.2 9469.04,2428.09 R14.2
NetO9_1: O9.1 U1.36 | length 8038
  Top Layer w10: O9.1 9574.13,2630.59 9602.89,2601.84 9602.89,1431.82 9755.5,1279.21 10204.63,1279.21 10304.63,1179.21 12217.26,1179.21 12434.39,1396.34 U1.36
NetO9_2: O9.2 R15.2 | length 183.3
  Top Layer w10: O9.2 9469.04,2823.09 R15.2
NetO10_1: O10.1 U1.37 | length 8482
  Top Layer w10: O10.1 9587.52,3030.59 9625.98,2992.13 9625.98,1437.01 9763.78,1299.21 10212.91,1299.21 10312.91,1199.21 12184.76,1199.21 12389.39,1403.84 12389.39,3227.82 12389.39,5055 U1.37
NetO10_2: O10.2 R16.2 | length 195.1
  Top Layer w10: O10.2 9469.04,3223.09 R16.2
NetO11_1: O11.1 U1.38 | length 6046.5
  Top Layer w10: O11.1 10178.46,1425.59 10215.28,1388.78 10215.28,1325.13 10321.19,1219.21 12154.39,1219.21 12334.39,1399.21 U1.38
NetO11_2: O11.2 R17.2 | length 198.3
  Top Layer w10: O11.2 10178.46,1618.09 R17.2
NetO12_1: O12.1 U1.39 | length 6499.4
  Top Layer w10: O12.1 10196.97,1830.59 10235.28,1792.28 10235.28,1333.42 10329.48,1239.21 12123.46,1239.21 12283.46,1399.21 12283.46,5049.07 U1.39
NetO12_2: O12.2 R18.2 | length 193.3
  Top Layer w10: O12.2 10178.46,2023.09 R18.2
NetO13_1: O13.1 U1.40 | length 6719.2
  Top Layer w10: O13.1 10225.04,2235.59 10255.28,2205.35 10255.28,1341.7 10337.76,1259.21 12097.26,1259.21 12234.39,1396.34 U1.40
NetO13_2: O13.2 R19.2 | length 188.3
  Top Layer w10: O13.2 10178.46,2428.09 R19.2
NetO14_1: O14.1 U1.41 | length 7156.3
  Top Layer w10: O14.1 10242.8,2630.59 10275.28,2598.11 10275.28,1349.98 10346.05,1279.21 12057.26,1279.21 12185.04,1406.99 12185.04,5050.65 U1.41
NetO14_2: O14.2 R20.2 | length 183.3
  Top Layer w10: O14.2 10178.46,2823.09 R20.2
NetO15_1: O15.1 U1.42 | length 7354
  Top Layer w10: O15.1 10256.81,3030.59 10295.28,2992.13 10295.28,1358.27 10354.33,1299.21 12015.84,1299.21 12134.39,1417.76 U1.42
NetO15_2: O15.2 R21.2 | length 195.1
  Top Layer w10: O15.2 10178.46,3223.09 R21.2
NetO16_1: O16.1 U1.43 | length 5111.7
  Top Layer w10: O16.1 11043.31,1436.81 11092.6,1436.81 11210.19,1319.21 11988.19,1319.21 12079.39,1410.41 12079.39,5045 U1.43
NetO16_2: O16.2 R22.2 | length 188.3
  Top Layer w10: O16.2 10859.07,1628.09 R22.2
NetO17_1: O17.1 U1.44 | length 5275.6
  Top Layer w10: O17.1 11063.11,1830.59 11101.42,1792.28 11101.42,1456.27 11218.47,1339.21 11943.25,1339.21 12034.39,1430.35 U1.44
NetO17_2: O17.2 R23.2 | length 193.3
  Top Layer w10: O17.2 10859.07,2023.09 R23.2
NetO18_1: O18.1 U1.45 | length 5730.5
  Top Layer w10: O18.1 11090.24,2235.59 11121.42,2204.41 11121.42,1464.55 11226.76,1359.21 11907.13,1359.21 11988.19,1440.28 11988.19,5053.8 U1.45
NetO18_2: O18.2 R24.2 | length 188.3
  Top Layer w10: O18.2 10859.07,2428.09 R24.2
NetO19_1: O19.1 U1.46 | length 5925.2
  Top Layer w10: O19.1 11110.47,2630.59 11141.42,2599.65 11141.42,1472.84 11235.04,1379.21 11863.07,1379.21 11934.39,1450.53 U1.46
NetO19_2: O19.2 R27.2 | length 183.3
  Top Layer w10: O19.2 10859.07,2823.09 R27.2
NetO19_4: O19.4 R25.1 | length 3017.6
  Top Layer w20: R25.1 10025.37,3790 10800,3790 v1(10870,3860)
  Bottom Layer w20: O19.4 10579.41,2630.59 10640,2570 11029.41,2570 11150,2690.59 v1(11150,3170) 11150,3740 11030,3860 v1(10870,3860)
NetO20_1: O20.1 U1.47 | length 6366.7
  Top Layer w10: O20.1 11122.95,3030.59 11161.42,2992.13 11161.42,1481.12 11243.33,1399.21 11827.17,1399.21 11889.39,1461.44 11889.39,5055 U1.47
NetO20_2: O20.2 R28.2 | length 194.1
  Top Layer w10: O20.2 10856.57,3220.59 R28.2
NetP1_2: P1.2 P3.1 | length 4631.4
  Top Layer w20: P3.1@8170,4195.47 P3.1 8158.7,4318.7 8270,4430 8270,5510 8390,5630 8390,6530 8450,6590 9968.93,6590 10148.93,6770 P1.2
NetPOT1_1: POT1.1 R6.2 | length 348.9
  Top Layer w20: R6.2 14601.7,5107.09 14690,5107.09 14747.32,5049.76 POT1.1
NetR3_1: R3.1 U1.22 | length 6762.6
  Top Layer w10: R3.1 9670.94,4289.06 9640,4320 9640,5199.41 9790.59,5350 v2(10130,5350) ; v2(12934.39,3890) 13080,3890 13134.39,3944.39 U1.22
  Bottom Layer w10: v2(10130,5350) 10170,5310 10170,4790 10230,4730 10480,4730 10589.61,4620.39 11099.61,4620.39 11180,4540 11180,4170 11225,4125 11226.72,4125 11241.72,4110 12714.39,4110 12763.05,4061.34 v2(12934.39,3890)
NetR3_2: R3.2 T1.2 | length 388.9
  Top Layer w10: R3.2 9749.35,4850 9660,4939.35 9660,5020 9697.09,5057.09 T1.2
NetR4_1: R4.1 U1.23 | length 5767.1
  Top Layer w10: v1(13460,4590) v1(13460,5105.39)
  Bottom Layer w10: R4.1 11069.65,5706.57 11200,5576.22 11200,4180 11250,4130 12820,4130 13070,3880 13320,3880 13460,4020 v1(13460,4590) ; U1.23 13134.39,5184.39 13180,5230 13420,5230 13460,5190 v1(13460,5105.39)
NetR4_2: R4.2 T2.2 | length 593.9
  Top Layer w10: T2.2 10451.85,5270 10892.42,5270 R4.2
REL_AC/L: K1.3 P4.3 | length 1748.3
  Top Layer w20: K1.3 10548.16,5005.28 10650,4903.43 10650,4199.77 10970,3879.77 P4.3
REL_LAMP/L: J2.1 K2.3 | length 2998.5
  Top Layer w20: J2.1 9260.59,6829.41 9390,6700 9910,6700 10230,7020 10710,7020 10870,6860 10870,6630 10820,6580 10410,6580 10359.86,6529.86 K2.3
RX1: U1.RX1 U2.11 | length 1594.2
  Top Layer w10: U1.RX1 13243.03,4508.64 13243.03,4545 13400,4701.97 13400,5860 13510,5970 U2.11
SCL: M1.4 U1.SCL | length 1541.5
  Top Layer w10: M1.4 12856.89,5683.11 12920,5620 13270,5620 13360,5530 13360,4825.61 U1.SCL
SDA: M1.3 U1.SDA | length 1885
  Top Layer w10: M1.3 12770,5786.1 12770,5850 12810,5890 13090,5890 13380,5600 13380,4745.61 U1.SDA
pads on no net: K1.2 K2.2 LCD1.1 LCD1.2 LCD1.15 LCD1.16 LCD1.23 LCD1.27 LCD1.28 M1.5 M1.6 M1.NA POT1.NA S1.3 SD1.1 SD1.7 U1.0 U1.1 U1.3.3V U1.5V U1.5V_1 U1.5V_2 U1.48 U1.49 U1.A6 U1.A7 U1.A8 U1.A9 U1.A10 U1.A11 U1.AREF U1.IOREF U1.LCD U1.LCD_1 U1.NA U1.RESET U1.RX2 U1.RX3 U1.TX1 U1.TX2 U1.TX3 U2.1 U2.3 U2.4 U2.5 U2.6 U2.7 U2.8 U2.10 U2.12 U2.13 U2.14 U2.15 U2.16 U2.17 U2.18 U2.19 U2.20 U2.21 U2.22 U2.23 U2.24 U2.26 U2.27 U2.28

## Polygon pours and split planes (outlines as drawn)
GND on Bottom Layer "Bottom Layer-GND" (solid, pour order 10): 7200,7390 16020,7390 16020,900 7200,900
no net on Bottom Layer "Bottom Layer-No Net" (solid, pour order 6): 7270,-47994.78
no net on Bottom Layer "Bottom Layer-No Net 1" (solid, pour order 0): 7260,-47890.29
GND on Top Layer "Top Layer-GND" (solid, pour order 8): 7200,7390 16020,7390 16020,900 7200,900

## Keep-outs
Keep-Out Layer:
  circle w10: c13540,4859.21 r53.15
  circle w10: c15230,7190 r53.15
  circle w10: c15680,7190 r53.15
  circle w10: c15680,1099.21 r53.15
  circle w10: c13540,1099.21 r53.15
  circle w10: c8010,1099.21 r53.15
  circle w10: c8010,7190 r53.15
  circle w10: c7560,7190 r53.15
  circle w10: c7560,1099.21 r53.15
  lines w20: 7200,900 7200,7390 16020,7390 16020,900 7490,900 7200,900

## Other copper
Top Layer:
  text "OSTEGUIN 2022" at 14990,6920 h50

## Silkscreen, mask and mechanical layers (free items; w line width, h text height)
Top Overlay:
  lines w10: 15656.44,4660 15656.44,4800 ; 15656.44,5110 15656.44,5250 ; 15720,4600 15750,4600 15770,4600 ; 15720,4860 15750,4860 15770,4860 ; 15720,5050 15750,5050 15770,5050 ; 15720,5310 15750,5310 15770,5310 ; 15833.6,4660 15833.6,4799.06 ; 15833.6,5108.43 15833.6,5247.48
  text "N" at 8505.68,7312.13 h36 r180
  text "L" at 8705.68,7312.13 h36 r180
  text "N" at 9076.59,7312.13 h36 r180
  text "L" at 9272.59,7312.13 h36 r180
  text "GND" at 9648.57,7312.13 h36 r180
  text "+5V" at 9848.57,7312.13 h36 r180
  text "DATA LOGGER" at 11874,7312.13 h36 r180
  text "WEB SERVER" at 14143.94,7312.13 h36 r180
  text "POWER / SOURCE / 110VAC" at 8819.68,6805.63 h36 r180
  text "LAMP / SUPPLY / 110VAC" at 9386.59,6805.63 h36 r180
  text "POWER / SUPPLY / 5VDC" at 9926.59,6805.77 h36 r180
  text "PIR 1" at 7280,6797.99 h36 r270
  text "POWER / ON/OFF" at 10930,6660 h36 r180
  text "PIR 2" at 7280,6453.99 h36 r270
  text "PIR 3" at 7280,6103.99 h36 r270
  text "SPKR" at 7280,5748.99 h36 r270
  text "CALIBRATION CABLES" at 15978,5740 h36 r90
  text "GND" at 7280,5397.98 h36 r270
  text "18" at 7280,5176.99 h36 r270
  text "2" at 15970,5165.96 h36 r90
  text "17" at 7280,4976.99 h36 r270
  text "16" at 7280,4776.99 h36 r270
  text "1" at 15970,4721.95 h36 r90
  text "SHOCK CURRENT" at 15520,4615.41 h36 r90
  text "15" at 7280,4576.99 h36 r270
  text "14" at 7280,4376.99 h36 r270
  text "13" at 7280,4176.99 h36 r270
  text "12" at 7280,3976.99 h36 r270
  text "11" at 7280,3770.99 h36 r270
  text "10" at 7280,3576.99 h36 r270
  text "9" at 7280,3226 h36 r270
  text "8" at 7280,3026 h36 r270
  text "7" at 7280,2826 h36 r270
  text "SHOCK BARS OUTPUT" at 7830,2653.32 h36 r270
  text "6" at 7280,2626 h36 r270
  text "5" at 7280,2426 h36 r270
  text "4" at 7280,2226 h36 r270
  text "3" at 7280,2026 h36 r270
  text "2" at 7280,1826 h36 r270
  text "1" at 7280,1626 h36 r270
  text "+VBAR" at 7280,1503.97 h36 r270
  text "Laboratorio de Neurobiologia de la Adiccion y Plasticidad Cerebral /  / Facultad de Ciencias, UAEMex" at 8380,1020 h40

## Dimensions
16020,900 to 16020,7390 on Mechanical 1
7200,7390 to 16020,7390 on Mechanical 1

## Text inside footprints (layer, text, board x,y; h text height)
LCD1: Top Overlay "Elegoo 2.8 Inches TFT" at 14557.74,1478.31 h60; Top Overlay "J2" at 13961.18,3186.5 h40 r270; Top Overlay "J4" at 15681.18,2676.5 h40 r270; Top Overlay "J3" at 15681.18,3376.5 h40 r270; Top Overlay "J1" at 13956.18,2306.5 h40 r270
M1: Top Overlay "GND" at 12543,5936.43 h36 r270; Top Overlay "VCC" at 12656.89,5919.92 h36 r270; Top Overlay "SDA" at 12743,5936.43 h36 r270; Top Overlay "SCL" at 12843,5936.43 h36 r270; Top Overlay "SQW" at 12943,5936.43 h36 r270; Top Overlay "32K" at 13046.89,5929.92 h36 r270
P2: Top Overlay "AC/L" at 8165.85,6415 h36; Top Overlay "AC/N" at 8165.85,5590 h36; Top Overlay "-V" at 9740.85,5590 h36; Top Overlay "+V" at 9740.85,5905 h36
P4: Top Overlay "+V" at 10555,3679.68 h40 r90; Top Overlay "AC" at 10560,4004.68 h40 r90; Top Overlay "AC" at 10900,3679.68 h40 r90; Top Overlay "-V" at 10905,4054.68 h40 r90
SD1: Top Overlay "Adafruit microSD  / card breakout board" at 12050,7040 h36 r180; Top Overlay "CD" at 12011.18,6003.47 h36 r270; Top Overlay "CS" at 11911.18,6003.47 h36 r270; Top Overlay "DI" at 11811.18,5995.6 h36 r270; Top Overlay "DO" at 11711.18,6003.47 h36 r270; Top Overlay "CLK" at 11611.18,6027.09 h36 r270; Top Overlay "GND" at 11511.18,6027.09 h36 r270; Top Overlay "3V" at 11411.18,6003.47 h36 r270; Top Overlay "5V" at 11311.18,6003.47 h36 r270